# KiCad board FrontEnd_5G.kicad_pcb (continued)
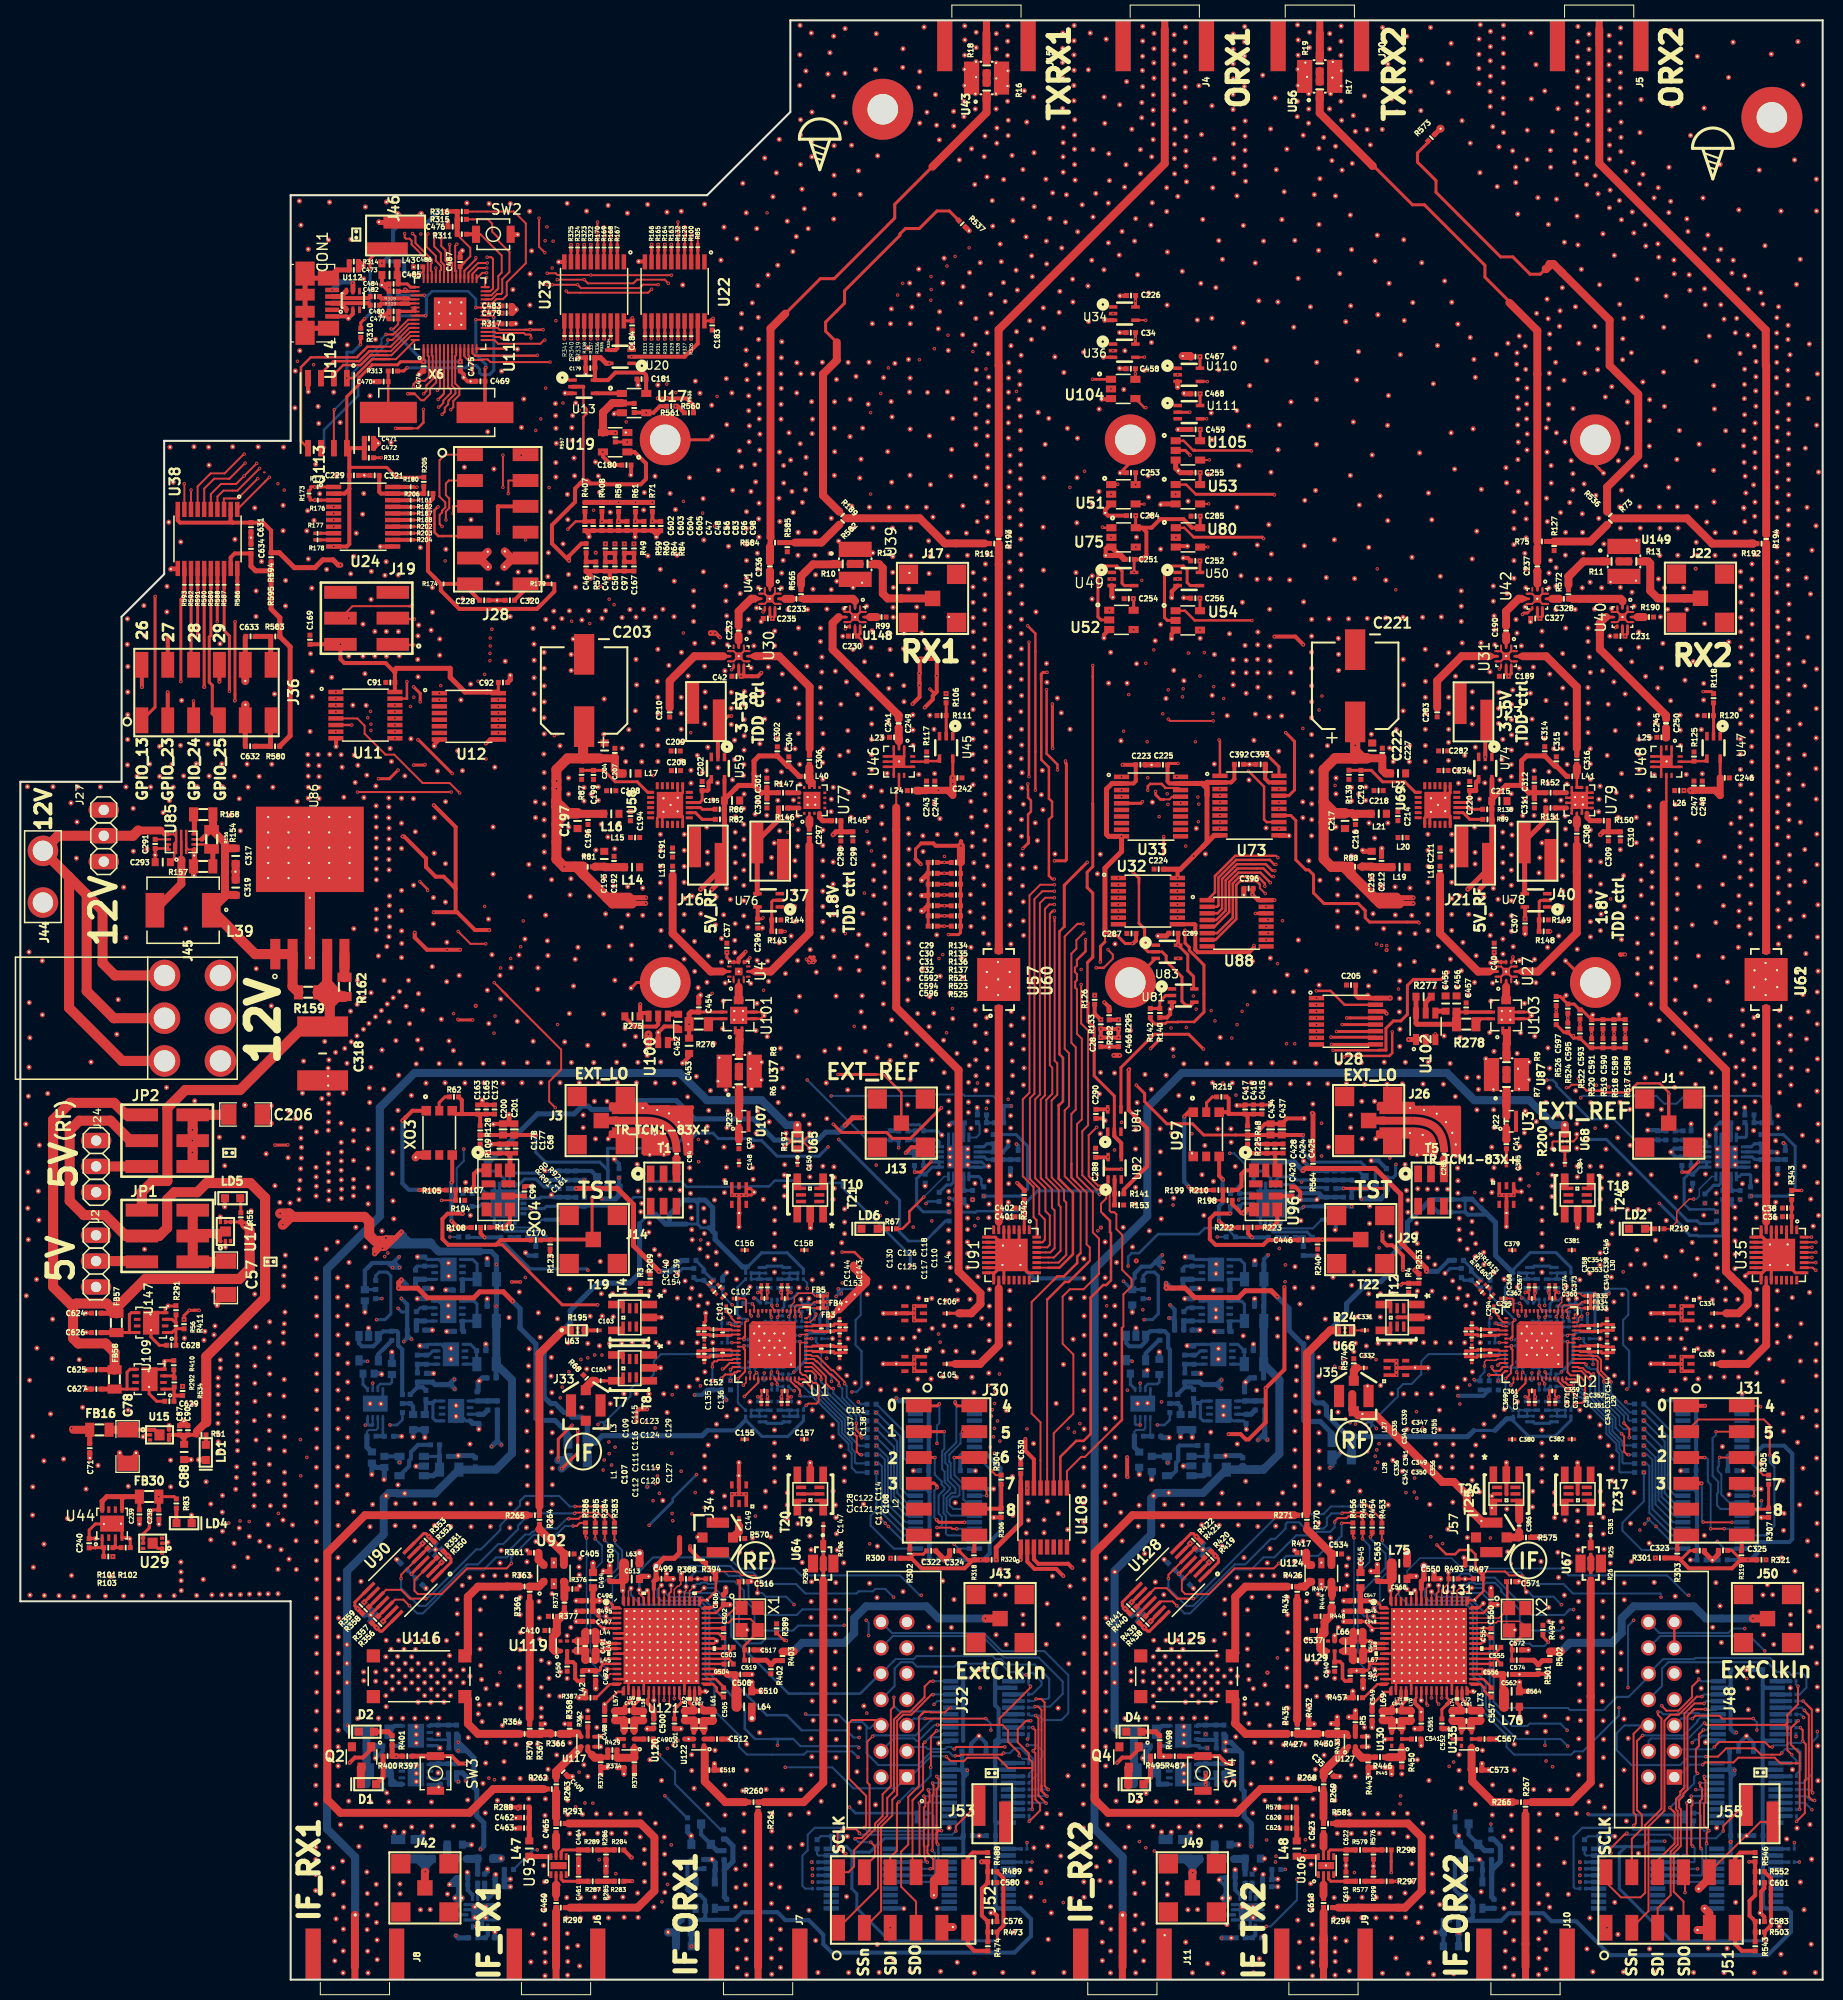
[diagram p0: board, top side]
## Placement (name value [footprint] x y rotation side) (continued)
Ref**#2367  Val**  [VIA_600_400]  106.36 1.87 0 top
Ref**#2368  Val**  [VIA_600_400]  31.03 5.98 0 top
Ref**#2369  Val**  [VIA_600_400]  30.74 10.98 0 top
Ref**#2370  Val**  [VIA_600_400]  30.8 8.37 0 top
Ref**#2371  Val**  [VIA_600_400]  30.91 1.85 0 top
Ref**#2372  Val**  [VIA_600_400]  30.9 3.78 0 top
Ref**#2373  Val**  [VIA_600_400]  75.65 13 0 top
Ref**#2374  Val**  [VIA_600_400]  76.86 13.29 0 top
Ref**#2375  Val**  [VIA_600_400]  81.22 8.16 0 top
Ref**#2376  Val**  [VIA_600_400]  99.33 8.13 0 top
Ref**#2377  Val**  [VIA_600_400]  91.67 5.17 0 top
Ref**#2378  Val**  [VIA_600_400]  89.8 8.3 0 top
Ref**#2379  Val**  [VIA_600_400]  100.94 36.95 90 top
Ref**#2380  Val**  [VIA_600_400]  100.85 32.96 90 top
Ref**#2381  Val**  [VIA_600_400]  102.02 34.92 90 top
Ref**#2382  Val**  [VIA_600_400]  102.02 26.69 90 top
Ref**#2383  Val**  [VIA_600_400]  100.9 16.31 90 top
Ref**#2384  Val**  [VIA_600_400]  102.25 16.25 90 top
Ref**#2385  Val**  [VIA_600_400]  103.06 31.05 90 top
Ref**#2386  Val**  [VIA_600_400]  103.18 38.68 90 top
Ref**#2387  Val**  [VIA_600_400]  101.46 39.66 90 top
Ref**#2388  Val**  [VIA_600_400]  98.06 39.56 90 top
Ref**#2389  Val**  [VIA_600_400]  99.08 46.86 90 top
Ref**#2390  Val**  [VIA_600_400]  102.98 20.03 90 top
Ref**#2391  Val**  [VIA_600_400]  100.83 10.64 90 top
Ref**#2392  Val**  [VIA_600_400]  102.27 12.15 90 top
Ref**#2393  Val**  [VIA_600_400]  100.44 14.96 90 top
Ref**#2394  Val**  [VIA_600_400]  98.89 43.9 90 top
Ref**#2395  Val**  [VIA_600_400]  100.64 43.93 90 top
Ref**#2396  Val**  [VIA_600_400]  96.31 40.3 90 top
Ref**#2397  Val**  [VIA_600_400]  89.31 34.65 90 top
Ref**#2398  Val**  [VIA_600_400]  89.52 32.58 90 top
Ref**#2399  Val**  [VIA_600_400]  89.97 30.19 90 top
Ref**#2400  Val**  [VIA_600_400]  86.77 38.14 90 top
Ref**#2401  Val**  [VIA_600_400]  84.21 37.55 90 top
Ref**#2402  Val**  [VIA_600_400]  99.1 45.15 90 top
Ref**#2403  Val**  [VIA_600_400]  97.57 45.65 90 top
Ref**#2404  Val**  [VIA_600_400]  102.96 44.24 90 top
Ref**#2405  Val**  [VIA_600_400]  100.64 45.19 90 top
Ref**#2406  Val**  [VIA_600_400]  99.64 12.96 90 top
Ref**#2407  Val**  [VIA_600_400]  101 13.12 90 top
Ref**#2408  Val**  [VIA_600_400]  97.52 49.45 90 top
Ref**#2409  Val**  [VIA_600_400]  96.92 55.95 90 top
Ref**#2410  Val**  [VIA_600_400]  101.83 56.64 90 top
Ref**#2411  Val**  [VIA_600_400]  100.96 47.01 90 top
Ref**#2412  Val**  [VIA_600_400]  120.46 48.99 90 top
Ref**#2413  Val**  [VIA_600_400]  118.12 47.84 90 top
Ref**#2414  Val**  [VIA_600_400]  124.09 47.86 90 top
Ref**#2415  Val**  [VIA_600_400]  129.03 47.99 90 top
Ref**#2416  Val**  [VIA_600_400]  131.69 48.03 90 top
Ref**#2417  Val**  [VIA_600_400]  102.03 45.83 90 top
Ref**#2418  Val**  [VIA_600_400]  110.56 88.97 0 top
Ref**#2419  Val**  [VIA_600_400]  106.08 87.06 0 top
Ref**#2420  Val**  [VIA_600_400]  34.97 115.37 0 top
Ref**#2421  Val**  [VIA_600_400]  34.06 118.39 0 top
Ref**#2422  Val**  [VIA_600_400]  34.97 114.29 0 top
Ref**#2423  Val**  [VIA_600_400]  19.44 57.52 0 top
Ref**#2424  Val**  [VIA_600_400]  19.44 55.63 0 top
Ref**#2425  Val**  [VIA_600_400]  19.44 53.71 0 top
Ref**#2426  Val**  [VIA_600_400]  19.44 59.15 0 top
Ref**#2427  Val**  [VIA_600_400]  19.43 54.68 0 top
Ref**#2428  Val**  [VIA_600_400]  19.46 52.85 0 top
Ref**#2429  Val**  [VIA_600_400]  19.47 51.88 0 top
Ref**#2430  Val**  [VIA_600_400]  19.44 58.34 0 top
Ref**#2431  Val**  [VIA_600_400]  19.66 60.1 0 top
Ref**#2432  Val**  [VIA_600_400]  19.66 60.91 0 top
Ref**#2433  Val**  [VIA_600_400]  21.34 61.43 0 top
Ref**#2434  Val**  [VIA_600_400]  21.35 60.29 0 top
Ref**#2435  Val**  [VIA_600_400]  21.32 58.46 0 top
Ref**#2436  Val**  [VIA_600_400]  21.35 52 0 top
Ref**#2437  Val**  [VIA_600_400]  21.34 52.97 0 top
Ref**#2438  Val**  [VIA_600_400]  21.31 54.8 0 top
Ref**#2439  Val**  [VIA_600_400]  21.32 59.27 0 top
Ref**#2440  Val**  [VIA_600_400]  21.32 53.83 0 top
Ref**#2441  Val**  [VIA_600_400]  21.32 55.75 0 top
Ref**#2442  Val**  [VIA_600_400]  21.32 57.64 0 top
Ref**#2443  Val**  [VIA_600_400]  21.33 56.66 0 top
Ref**#2444  Val**  [VIA_600_400]  24.47 53.97 0 top
Ref**#2445  Val**  [VIA_600_400]  24.48 52.15 0 top
Ref**#2446  Val**  [VIA_600_400]  23 54.95 0 top
Ref**#2447  Val**  [VIA_600_400]  23 50.72 0 top
Ref**#2448  Val**  [VIA_600_400]  19.04 63.38 0 top
Ref**#2449  Val**  [VIA_600_400]  18.05 62.85 0 top
Ref**#2450  Val**  [VIA_600_400]  18.14 63.72 0 top
Ref**#2451  Val**  [VIA_600_400]  25.9 69.2 0 top
Ref**#2452  Val**  [VIA_600_400]  25.99 70.07 0 top
Ref**#2453  Val**  [VIA_600_400]  24.49 57.52 0 top
Ref**#2454  Val**  [VIA_600_400]  24.51 59.53 0 top
Ref**#2455  Val**  [VIA_600_400]  23.05 58.62 0 top
Ref**#2456  Val**  [VIA_600_400]  24.46 61.13 0 top
Ref**#2457  Val**  [VIA_600_400]  23.05 62.12 0 top
Ref**#2458  Val**  [VIA_600_400]  24.51 64.66 0 top
Ref**#2459  Val**  [VIA_600_400]  25.91 57.36 0 top
Ref**#2460  Val**  [VIA_600_400]  25.91 55.3 0 top
Ref**#2461  Val**  [VIA_600_400]  25.97 51.96 0 top
Ref**#2462  Val**  [VIA_600_400]  24.58 46.58 0 top
Ref**#2463  Val**  [VIA_600_400]  15.82 38.25 0 top
Ref**#2464  Val**  [VIA_600_400]  15.81 39.22 0 top
Ref**#2465  Val**  [VIA_600_400]  15.78 41.05 0 top
Ref**#2466  Val**  [VIA_600_400]  15.79 40.08 0 top
Ref**#2467  Val**  [VIA_600_400]  23.5 37.9 90 top
Ref**#2468  Val**  [VIA_600_400]  22.53 37.89 90 top
Ref**#2469  Val**  [VIA_600_400]  24.36 37.92 90 top
Ref**#2470  Val**  [VIA_600_400]  25.33 37.93 90 top
Ref**#2471  Val**  [VIA_600_400]  21.63 37.85 90 top
Ref**#2472  Val**  [VIA_600_400]  20.66 37.84 90 top
Ref**#2473  Val**  [VIA_600_400]  18.83 37.81 90 top
Ref**#2474  Val**  [VIA_600_400]  19.8 37.82 90 top
Ref**#2475  Val**  [VIA_600_400]  2.36 37.76 90 top
Ref**#2476  Val**  [VIA_600_400]  21.24 49.36 90 top
Ref**#2477  Val**  [VIA_600_400]  17.33 37.76 90 top
Ref**#2478  Val**  [VIA_600_400]  22.97 48.72 90 top
Ref**#2479  Val**  [VIA_600_400]  23 49.76 0 top
Ref**#2480  Val**  [VIA_600_400]  23.01 47.63 90 top
Ref**#2481  Val**  [VIA_600_400]  23.54 43.09 0 top
Ref**#2482  Val**  [VIA_600_400]  25.63 42.26 0 top
Ref**#2483  Val**  [VIA_600_400]  24.46 42.57 0 top
Ref**#2484  Val**  [VIA_600_400]  21.52 44.39 0 top
Ref**#2485  Val**  [VIA_600_400]  21.01 42.89 0 top
Ref**#2486  Val**  [VIA_600_400]  25.95 64.47 0 top
Ref**#2487  Val**  [VIA_600_400]  25.86 63.6 0 top
Ref**#2488  Val**  [VIA_600_400]  26.01 65.61 0 top
Ref**#2489  Val**  [VIA_600_400]  25.85 62.56 0 top
Ref**#2490  Val**  [VIA_600_400]  27.49 78.57 0 top
Ref**#2491  Val**  [VIA_600_400]  27.4 77.7 0 top
Ref**#2492  Val**  [VIA_600_400]  27.55 79.71 0 top
Ref**#2493  Val**  [VIA_600_400]  27.39 76.66 0 top
Ref**#2494  Val**  [VIA_600_400]  25.51 76.39 0 top
Ref**#2495  Val**  [VIA_600_400]  27.62 80.76 0 top
Ref**#2496  Val**  [VIA_600_400]  27.57 83.75 0 top
Ref**#2497  Val**  [VIA_600_400]  27.63 81.8 0 top
Ref**#2498  Val**  [VIA_600_400]  27.58 82.71 0 top
Ref**#2499  Val**  [VIA_600_400]  26.4 85.37 0 top
Ref**#2500  Val**  [VIA_600_400]  31.54 79.55 0 top
Ref**#2501  Val**  [VIA_600_400]  31.55 78.61 0 top
Ref**#2502  Val**  [VIA_600_400]  31.57 77.69 0 top
Ref**#2503  Val**  [VIA_600_400]  31.56 81.37 0 top
Ref**#2504  Val**  [VIA_600_400]  31.54 82.29 0 top
Ref**#2505  Val**  [VIA_600_400]  30.29 81.22 0 top
Ref**#2506  Val**  [VIA_600_400]  31.55 80.47 0 top
Ref**#2507  Val**  [VIA_600_400]  30.33 77.53 0 top
Ref**#2508  Val**  [VIA_600_400]  30.31 78.45 0 top
Ref**#2509  Val**  [VIA_600_400]  30.3 79.39 0 top
Ref**#2510  Val**  [VIA_600_400]  30.32 76.63 0 top
Ref**#2511  Val**  [VIA_600_400]  29.07 79.84 0 top
Ref**#2512  Val**  [VIA_600_400]  29.08 78.9 0 top
Ref**#2513  Val**  [VIA_600_400]  29.1 77.98 0 top
Ref**#2514  Val**  [VIA_600_400]  30.31 85.22 0 top
Ref**#2515  Val**  [VIA_600_400]  30.3 87.04 0 top
Ref**#2516  Val**  [VIA_600_400]  30.32 86.12 0 top
Ref**#2517  Val**  [VIA_600_400]  30.3 84.3 0 top
Ref**#2518  Val**  [VIA_600_400]  30.27 87.88 0 top
Ref**#2519  Val**  [VIA_600_400]  30.25 88.8 0 top
Ref**#2520  Val**  [VIA_600_400]  29.92 92.21 0 top
Ref**#2521  Val**  [VIA_600_400]  30.99 91.14 0 top
Ref**#2522  Val**  [VIA_600_400]  30.33 90.4 0 top
Ref**#2523  Val**  [VIA_600_400]  37.47 105.07 0 top
Ref**#2524  Val**  [VIA_600_400]  37.48 103.08 0 top
Ref**#2525  Val**  [VIA_600_400]  37.47 107.06 0 top
Ref**#2526  Val**  [VIA_600_400]  37.47 113.67 0 top
Ref**#2527  Val**  [VIA_600_400]  32.92 117.67 0 top
Ref**#2528  Val**  [VIA_600_400]  31.63 119.17 0 top
Ref**#2529  Val**  [VIA_600_400]  0.7 117.26 0 top
Ref**#2530  Val**  [VIA_600_400]  2.82 114.95 0 top
Ref**#2531  Val**  [VIA_600_400]  3.21 117.25 0 top
Ref**#2532  Val**  [VIA_600_400]  4.98 115.66 0 top
Ref**#2533  Val**  [VIA_600_400]  5.64 117.24 0 top
Ref**#2534  Val**  [VIA_600_400]  5.57 113.79 0 top
Ref**#2535  Val**  [VIA_600_400]  14.04 114.71 0 top
Ref**#2536  Val**  [VIA_600_400]  12.81 117.22 0 top
Ref**#2537  Val**  [VIA_600_400]  14.65 115.89 0 top
Ref**#2538  Val**  [VIA_600_400]  10.38 117.23 0 top
Ref**#2539  Val**  [VIA_600_400]  11.09 115.12 0 top
Ref**#2540  Val**  [VIA_600_400]  7.87 117.24 0 top
Ref**#2541  Val**  [VIA_600_400]  15.03 117.21 0 top
Ref**#2542  Val**  [VIA_600_400]  21.63 112.92 0 top
Ref**#2543  Val**  [VIA_600_400]  19.9 117.24 0 top
Ref**#2544  Val**  [VIA_600_400]  20.6 114.45 0 top
Ref**#2545  Val**  [VIA_600_400]  17.39 117.25 0 top
Ref**#2546  Val**  [VIA_600_400]  27.21 115.8 0 top
Ref**#2547  Val**  [VIA_600_400]  24.82 117.2 0 top
Ref**#2548  Val**  [VIA_600_400]  31.8 116.22 0 top
Ref**#2549  Val**  [VIA_600_400]  22.39 117.21 0 top
Ref**#2550  Val**  [VIA_600_400]  21.52 116.07 0 top
Ref**#2551  Val**  [VIA_600_400]  29.27 120.41 0 top
Ref**#2552  Val**  [VIA_600_400]  30.41 120.43 0 top
Ref**#2553  Val**  [VIA_600_400]  28.26 120.42 0 top
Ref**#2554  Val**  [VIA_600_400]  31.54 120.4 0 top
Ref**#2555  Val**  [VIA_600_400]  28.3 118.29 0 top
Ref**#2556  Val**  [VIA_600_400]  28.3 119.37 0 top
Ref**#2557  Val**  [VIA_600_400]  28.3 117.21 0 top
Ref**#2558  Val**  [VIA_600_400]  28.3 116.13 0 top
Ref**#2559  Val**  [VIA_600_400]  30.08 71.8 0 top
Ref**#2560  Val**  [VIA_600_400]  26.41 41.33 0 top
Ref**#2561  Val**  [VIA_600_400]  27.1 43.14 0 top
Ref**#2562  Val**  [VIA_600_400]  25.82 45.17 0 top
Ref**#2563  Val**  [VIA_600_400]  26.04 47.59 0 top
Ref**#2564  Val**  [VIA_600_400]  25.96 48.72 0 top
Ref**#2565  Val**  [VIA_600_400]  24.48 50.64 0 top
Ref**#2566  Val**  [VIA_600_400]  40.61 106.35 0 top
Ref**#2567  Val**  [VIA_600_400]  40.68 110.72 0 top
Ref**#2568  Val**  [VIA_600_400]  34.95 117.32 0 top
Ref**#2569  Val**  [VIA_600_400]  29.36 116.09 0 top
Ref**#2570  Val**  [VIA_600_400]  29.36 117.17 0 top
Ref**#2571  Val**  [VIA_600_400]  29.36 119.33 0 top
Ref**#2572  Val**  [VIA_600_400]  29.36 118.25 0 top
Ref**#2573  Val**  [VIA_600_400]  8.37 37.71 90 top
Ref**#2574  Val**  [VIA_600_400]  10.15 37.72 90 top
Ref**#2575  Val**  [VIA_600_400]  6.69 37.66 90 top
Ref**#2576  Val**  [VIA_600_400]  5.28 37.66 90 top
Ref**#2577  Val**  [VIA_600_400]  11.98 37.75 90 top
Ref**#2578  Val**  [VIA_600_400]  15.12 37.74 90 top
Ref**#2579  Val**  [VIA_600_400]  3.8 37.74 90 top
Ref**#2580  Val**  [VIA_600_400]  13.68 37.72 90 top
Ref**#2581  Val**  [VIA_600_400]  0.95 37.8 90 top
Ref**#2582  Val**  [VIA_600_400]  34.31 87.65 0 top
Ref**#2583  Val**  [VIA_600_400]  32.75 82.44 0 top
Ref**#2584  Val**  [VIA_600_400]  32.75 78.66 0 top
Ref**#2585  Val**  [VIA_600_400]  32.75 80.52 0 top
Ref**#2586  Val**  [VIA_600_400]  32.75 77.03 0 top
Ref**#2587  Val**  [VIA_600_400]  19.85 45.95 0 top
Ref**#2588  Val**  [VIA_600_400]  28.69 128.6 90 top
Ref**#2589  Val**  [VIA_600_400]  28.87 143.42 90 top
Ref**#2590  Val**  [VIA_600_400]  28.69 126.1 90 top
Ref**#2591  Val**  [VIA_600_400]  30.6 128 90 top
Ref**#2592  Val**  [VIA_600_400]  30.11 138.61 90 top
Ref**#2593  Val**  [VIA_600_400]  28.65 136.77 90 top
Ref**#2594  Val**  [VIA_600_400]  28.48 122.68 90 top
Ref**#2595  Val**  [VIA_600_400]  0.8 86.84 180 top
Ref**#2596  Val**  [VIA_600_400]  2.69 87.1 180 top
Ref**#2597  Val**  [VIA_600_400]  0.85 89.69 180 top
Ref**#2598  Val**  [VIA_600_400]  0.85 101 180 top
Ref**#2599  Val**  [VIA_600_400]  5.51 110.23 180 top
Ref**#2600  Val**  [VIA_600_400]  14.37 87.69 180 top
Ref**#2601  Val**  [VIA_600_400]  0.94 92.58 180 top
Ref**#2602  Val**  [VIA_600_400]  0.88 96.03 180 top
Ref**#2603  Val**  [VIA_600_400]  9.62 96.33 180 top
Ref**#2604  Val**  [VIA_600_400]  9.48 92.92 180 top
Ref**#2605  Val**  [VIA_600_400]  8.91 39.64 180 top
Ref**#2606  Val**  [VIA_600_400]  1.2 45.66 180 top
Ref**#2607  Val**  [VIA_600_400]  17.98 39.34 180 top
Ref**#2608  Val**  [VIA_600_400]  4.63 45.33 180 top
Ref**#2609  Val**  [VIA_600_400]  5.03 39.72 180 top
Ref**#2610  Val**  [VIA_600_400]  2.31 50.99 180 top
Ref**#2611  Val**  [VIA_600_400]  10.61 48.49 180 top
Ref**#2612  Val**  [VIA_600_400]  2.33 42.81 180 top
Ref**#2613  Val**  [VIA_600_400]  6.46 48.22 180 top
Ref**#2614  Val**  [VIA_600_400]  1.28 40.53 180 top
Ref**#2615  Val**  [VIA_600_400]  14.77 51.06 180 top
Ref**#2616  Val**  [VIA_600_400]  0.91 58.91 180 top
Ref**#2617  Val**  [VIA_600_400]  5.79 60.94 180 top
Ref**#2618  Val**  [VIA_600_400]  6.12 56.25 180 top
Ref**#2619  Val**  [VIA_600_400]  2.97 55.6 180 top
Ref**#2620  Val**  [VIA_600_400]  3.13 61.04 180 top
Ref**#2621  Val**  [VIA_600_400]  3.17 64.92 180 top
Ref**#2622  Val**  [VIA_600_400]  10.59 55.98 180 top
Ref**#2623  Val**  [VIA_600_400]  0.59 67.22 180 top
Ref**#2624  Val**  [VIA_600_400]  14.78 48.44 0 top
Ref**#2625  Val**  [VIA_600_400]  0.73 75.83 180 top
Ref**#2626  Val**  [VIA_600_400]  1.82 74.65 180 top
Ref**#2627  Val**  [VIA_600_400]  0.78 72.74 180 top
Ref**#2628  Val**  [VIA_600_400]  1.23 48.44 180 top
Ref**#2629  Val**  [VIA_600_400]  7.64 50.54 180 top
Ref**#2630  Val**  [VIA_600_400]  1.2 53.41 180 top
Ref**#2631  Val**  [VIA_600_400]  4.25 51.17 180 top
Ref**#2632  Val**  [VIA_600_400]  1.62 62.08 180 top
Ref**#2633  Val**  [VIA_600_400]  1.77 77.5 180 top
Ref**#2634  Val**  [VIA_600_400]  0.54 84.09 180 top
Ref**#2635  Val**  [VIA_600_400]  1.59 68.83 180 top
Ref**#2636  Val**  [VIA_600_400]  0.76 79.37 180 top
Ref**#2637  Val**  [VIA_600_400]  1.88 82.02 180 top
Ref**#2638  Val**  [VIA_600_400]  6.95 90.19 180 top
Ref**#2639  Val**  [VIA_600_400]  2.16 94.84 180 top
Ref**#2640  Val**  [VIA_600_400]  10.39 102.42 180 top
Ref**#2641  Val**  [VIA_600_400]  11.11 110.91 180 top
Ref**#2642  Val**  [VIA_600_400]  23.19 99.37 180 top
Ref**#2643  Val**  [VIA_600_400]  10.16 107.37 180 top
Ref**#2644  Val**  [VIA_600_400]  16.25 103.29 180 top
Ref**#2645  Val**  [VIA_600_400]  2.16 100.15 180 top
Ref**#2646  Val**  [VIA_600_400]  17.14 86.37 180 top
Ref**#2647  Val**  [VIA_600_400]  130.64 0.86 0 top
Ref**#2648  Val**  [VIA_600_400]  130.33 3.81 0 top
Ref**#2649  Val**  [VIA_600_400]  125.7 1.18 0 top
Ref**#2650  Val**  [VIA_600_400]  125.74 3.69 0 top
Ref**#2651  Val**  [VIA_600_400]  125.58 5.85 0 top
Ref**#2652  Val**  [VIA_600_400]  123.55 7.15 0 top
Ref**#2653  Val**  [VIA_600_400]  114.56 3.68 0 top
Ref**#2654  Val**  [VIA_600_400]  117.95 92.61 0 top
Ref**#2655  Val**  [VIA_600_400]  113.3 91.46 0 top
Ref**#2656  Val**  [VIA_600_400]  109.11 93.29 0 top
Ref**#2657  Val**  [VIA_600_400]  119.43 79.93 0 top
Ref**#2658  Val**  [VIA_600_400]  127.06 86.07 0 top
Ref**#2659  Val**  [VIA_600_400]  163.29 89.09 0 top
Ref**#2660  Val**  [VIA_600_400]  159.82 92.31 0 top
Ref**#2661  Val**  [VIA_600_400]  161.89 91.24 0 top
Ref**#2662  Val**  [VIA_600_400]  28.53 130.33 90 top
Ref**#2663  Val**  [VIA_600_400]  28.31 139.64 90 top
Ref**#2664  Val**  [VIA_600_400]  127.44 76.67 0 top
Ref**#2665  Val**  [VIA_600_400]  52.2 77.13 0 top
Ref**#2666  Val**  [VIA_600_400]  117.28 78.46 0 top
Ref**#2667  Val**  [VIA_600_400]  116.34 75.12 0 top
Ref**#2668  Val**  [VIA_600_400]  118.27 55.48 0 top
Ref**#2669  Val**  [VIA_600_400]  109.83 56.62 0 top
Ref**#2670  Val**  [VIA_600_400]  117.77 60.98 0 top
Ref**#2671  Val**  [VIA_600_400]  117.56 70.33 0 top
Ref**#2672  Val**  [VIA_600_400]  117.53 65.85 0 top
Ref**#2673  Val**  [VIA_600_400]  117.52 65.08 0 top
Ref**#2674  Val**  [VIA_600_400]  117.78 62.02 0 top
Ref**#2675  Val**  [VIA_600_400]  118.27 56.35 0 top
Ref**#2676  Val**  [VIA_600_400]  110.8 56.66 0 top
Ref**#2677  Val**  [VIA_600_400]  117.53 69.39 0 top
Ref**#2678  Val**  [VIA_600_400]  42.83 55.37 0 top
Ref**#2679  Val**  [VIA_600_400]  42.83 56.43 0 top
Ref**#2680  Val**  [VIA_600_400]  34.38 56.61 0 top
Ref**#2681  Val**  [VIA_600_400]  35.44 56.6 0 top
Ref**#2682  Val**  [VIA_600_400]  42.33 60.97 0 top
Ref**#2683  Val**  [VIA_600_400]  42.33 62.04 0 top
Ref**#2684  Val**  [VIA_600_400]  42.09 70.44 0 top
Ref**#2685  Val**  [VIA_600_400]  42.11 69.14 0 top
Ref**#2686  Val**  [VIA_600_400]  42.07 65.14 0 top
Ref**#2687  Val**  [VIA_600_400]  42.07 66.26 0 top
Ref**#2688  Val**  [VIA_600_400]  116.16 79.12 0 top
Ref**#2689  Val**  [VIA_600_400]  50.38 4.48 0 top
Ref**#2690  Val**  [VIA_600_400]  50.18 1.74 0 top
Ref**#2691  Val**  [VIA_600_400]  54.8 3.34 0 top
Ref**#2692  Val**  [VIA_600_400]  54.98 1.34 0 top
Ref**#2693  Val**  [VIA_600_400]  157.32 30.48 0 top
Ref**#2694  Val**  [VIA_600_400]  157.36 32.12 0 top
Ref**#2695  Val**  [VIA_600_400]  157.64 25.62 0 top
Ref**#2696  Val**  [VIA_600_400]  164.87 30.3 0 top
Ref**#2697  Val**  [VIA_600_400]  156.73 7.6 0 top
Ref**#2698  Val**  [VIA_600_400]  97.65 4.68 0 top
Ref**#2699  Val**  [VIA_600_400]  84.07 17.19 0 top
Ref**#2700  Val**  [VIA_600_400]  82.24 20.44 0 top
Ref**#2701  Val**  [VIA_600_400]  82.52 17.42 0 top
Ref**#2702  Val**  [VIA_600_400]  82.48 24.75 0 top
Ref**#2703  Val**  [VIA_600_400]  82.92 26.9 0 top
Ref**#2704  Val**  [VIA_600_400]  82.45 30.48 0 top
Ref**#2705  Val**  [VIA_600_400]  91.7 32.46 0 top
Ref**#2706  Val**  [VIA_600_400]  91.52 34.61 0 top
Ref**#2707  Val**  [VIA_600_400]  91.78 37.36 0 top
Ref**#2708  Val**  [VIA_600_400]  83.48 38.96 0 top
Ref**#2709  Val**  [VIA_600_400]  90.67 39.19 0 top
Ref**#2710  Val**  [VIA_600_400]  84.25 42.6 0 top
Ref**#2711  Val**  [VIA_600_400]  82.89 46.73 0 top
Ref**#2712  Val**  [VIA_600_400]  91.9 46.88 0 top
Ref**#2713  Val**  [VIA_600_400]  90.17 43.73 0 top
Ref**#2714  Val**  [VIA_600_400]  99.6 52.69 0 top
Ref**#2715  Val**  [VIA_600_400]  117.02 53.81 0 top
Ref**#2716  Val**  [VIA_600_400]  169.83 28.62 0 top
Ref**#2717  Val**  [VIA_600_400]  169.86 26.53 0 top
Ref**#2718  Val**  [VIA_600_400]  21.05 118.27 0 top
Ref**#2719  Val**  [VIA_600_400]  23.48 118.26 0 top
Ref**#2720  Val**  [VIA_600_400]  16.05 118.31 0 top
Ref**#2721  Val**  [VIA_600_400]  18.56 118.3 0 top
Ref**#2722  Val**  [VIA_600_400]  13.69 118.27 0 top
Ref**#2723  Val**  [VIA_600_400]  11.47 118.28 0 top
Ref**#2724  Val**  [VIA_600_400]  12.71 119.48 0 top
Ref**#2725  Val**  [VIA_600_400]  14.93 119.47 0 top
Ref**#2726  Val**  [VIA_600_400]  19.8 119.5 0 top
Ref**#2727  Val**  [VIA_600_400]  17.29 119.51 0 top
Ref**#2728  Val**  [VIA_600_400]  24.72 119.46 0 top
Ref**#2729  Val**  [VIA_600_400]  22.29 119.47 0 top
Ref**#2730  Val**  [VIA_600_400]  10.55 126.56 90 top
Ref**#2731  Val**  [VIA_600_400]  10.56 129.06 90 top
Ref**#2732  Val**  [VIA_600_400]  10.55 124.33 90 top
Ref**#2733  Val**  [VIA_600_400]  10.55 121.9 90 top
Ref**#2734  Val**  [VIA_600_400]  10.53 119.39 90 top
Ref**#2735  Val**  [VIA_600_400]  10.52 133.75 90 top
Ref**#2736  Val**  [VIA_600_400]  10.52 131.25 90 top
Ref**#2737  Val**  [VIA_600_400]  25.87 150.63 0 top
Ref**#2738  Val**  [VIA_600_400]  20.87 150.67 0 top
Ref**#2739  Val**  [VIA_600_400]  23.38 150.66 0 top
Ref**#2740  Val**  [VIA_600_400]  18.51 150.63 0 top
Ref**#2741  Val**  [VIA_600_400]  14.71 150.63 0 top
Ref**#2742  Val**  [VIA_600_400]  17.07 150.67 0 top
Ref**#2743  Val**  [VIA_600_400]  23.16 133.99 90 top
Ref**#2744  Val**  [VIA_600_400]  23.17 136.5 90 top
Ref**#2745  Val**  [VIA_600_400]  26.08 137.53 90 top
Ref**#2746  Val**  [VIA_600_400]  26.06 135.02 90 top
Ref**#2747  Val**  [VIA_600_400]  25.83 142.41 90 top
Ref**#2748  Val**  [VIA_600_400]  25.83 144.91 90 top
Ref**#2749  Val**  [VIA_600_400]  14.41 136.94 90 top
Ref**#2750  Val**  [VIA_600_400]  14.41 134.44 90 top
Ref**#2751  Val**  [VIA_600_400]  12.15 135.06 90 top
Ref**#2752  Val**  [VIA_600_400]  19.63 131.31 90 top
Ref**#2753  Val**  [VIA_600_400]  15.85 125.74 90 top
Ref**#2754  Val**  [VIA_600_400]  13.69 121.22 90 top
Ref**#2755  Val**  [VIA_600_400]  15.74 121.31 90 top
Ref**#2756  Val**  [VIA_600_400]  18.42 121.45 90 top
Ref**#2757  Val**  [VIA_600_400]  24.98 126.37 90 top
Ref**#2758  Val**  [VIA_600_400]  15.77 141.31 90 top
Ref**#2759  Val**  [VIA_600_400]  15.02 147.19 90 top
Ref**#2760  Val**  [VIA_600_400]  18.55 148.86 90 top
Ref**#2761  Val**  [VIA_600_400]  48.42 166.11 90 top
Ref**#2762  Val**  [VIA_600_400]  14.59 143.25 90 top
Ref**#2763  Val**  [VIA_600_400]  21.09 141.57 90 top
Ref**#2764  Val**  [VIA_600_400]  23.71 139.39 90 top
Ref**#2765  Val**  [VIA_600_400]  23.04 144.66 90 top
Ref**#2766  Val**  [VIA_600_400]  12.23 132.09 90 top
Ref**#2767  Val**  [VIA_600_400]  142.24 43.45 0 top
Ref**#2768  Val**  [VIA_600_400]  106.63 84.43 0 top
Ref**#2769  Val**  [VIA_600_400]  106.16 83.15 0 top
Ref**#2770  Val**  [VIA_600_400]  113.03 95.38 0 top
Ref**#2771  Val**  [VIA_600_400]  34.99 112.2 0 top
Ref**#2772  Val**  [VIA_600_400]  34.99 113.28 0 top
Ref**#2773  Val**  [VIA_600_400]  35 109.18 0 top
Ref**#2774  Val**  [VIA_600_400]  35 108.1 0 top
Ref**#2775  Val**  [VIA_600_400]  34.98 110.19 0 top
Ref**#2776  Val**  [VIA_600_400]  34.98 111.27 0 top
Ref**#2777  Val**  [VIA_600_400]  36.23 111.17 0 top
Ref**#2778  Val**  [VIA_600_400]  36.23 110.09 0 top
Ref**#2779  Val**  [VIA_600_400]  36.25 109.08 0 top
Ref**#2780  Val**  [VIA_600_400]  36.24 113.18 0 top
Ref**#2781  Val**  [VIA_600_400]  36.24 112.1 0 top
Ref**#2782  Val**  [VIA_600_400]  36.22 114.19 0 top
Ref**#2783  Val**  [VIA_600_400]  36.22 115.27 0 top
Ref**#2784  Val**  [VIA_600_400]  36.29 106.5 0 top
Ref**#2785  Val**  [VIA_600_400]  36.3 103.48 0 top
Ref**#2786  Val**  [VIA_600_400]  36.28 104.49 0 top
Ref**#2787  Val**  [VIA_600_400]  36.28 105.57 0 top
Ref**#2788  Val**  [VIA_600_400]  34.99 104.27 0 top
Ref**#2789  Val**  [VIA_600_400]  34.99 103.19 0 top
Ref**#2790  Val**  [VIA_600_400]  36.03 101.54 0 top
Ref**#2791  Val**  [VIA_600_400]  35 105.2 0 top
Ref**#2792  Val**  [VIA_600_400]  36.24 102.51 0 top
Ref**#2793  Val**  [VIA_600_400]  117.62 17.47 0 top
Ref**#2794  Val**  [VIA_600_400]  88.94 78.01 0 top
Ref**#2795  Val**  [VIA_600_400]  85.5 90.34 0 top
Ref**#2796  Val**  [VIA_600_400]  79.85 71.43 180 bottom
Ref**#2797  Val**  [VIA_600_400]  80.74 72.43 180 bottom
Ref**#2798  Val**  [VIA_600_400]  79.83 70.23 180 bottom
Ref**#2799  Val**  [VIA_600_400]  68.44 54.59 0 bottom
Ref**#2800  Val**  [VIA_600_400]  67.62 52.55 0 bottom
Ref**#2801  Val**  [VIA_600_400]  68.42 53.39 0 bottom
Ref**#2802  Val**  [VIA_600_400]  69.45 55.38 0 bottom
Ref**#2803  Val**  [VIA_600_400]  70.42 56.04 0 bottom
Ref**#2804  Val**  [VIA_600_400]  110.64 25.7 0 bottom
Ref**#2805  Val**  [VIA_600_400]  111.86 25.69 0 bottom
Ref**#2806  Val**  [VIA_600_400]  113.02 25.69 0 bottom
Ref**#2807  Val**  [VIA_600_400]  114.21 25.69 0 bottom
Ref**#2808  Val**  [VIA_600_400]  115.41 25.72 0 bottom
Ref**#2809  Val**  [VIA_600_400]  116.58 25.72 0 bottom
Ref**#2810  Val**  [VIA_600_400]  139.1 4.65 90 bottom
Ref**#2811  Val**  [VIA_600_400]  143.42 11.81 90 bottom
Ref**#2812  Val**  [VIA_600_400]  115.06 14.48 0 bottom
Ref**#2813  Val**  [VIA_600_400]  113.14 14.5 0 bottom
Ref**#2814  Val**  [VIA_600_400]  112.18 14.52 0 bottom
Ref**#2815  Val**  [VIA_600_400]  122.3 11.89 270 bottom
Ref**#2816  Val**  [VIA_600_400]  119.79 13.26 0 bottom
Ref**#2817  Val**  [VIA_600_400]  123.61 9.14 270 bottom
Ref**#2818  Val**  [VIA_600_400]  123.61 9.88 270 bottom
Ref**#2819  Val**  [VIA_600_400]  118.86 8.01 270 bottom
Ref**#2820  Val**  [VIA_600_400]  118.16 8.01 270 bottom
Ref**#2821  Val**  [VIA_600_400]  122.17 10.34 270 bottom
Ref**#2822  Val**  [VIA_600_400]  121.36 10.87 270 bottom
Ref**#2823  Val**  [VIA_600_400]  118.61 5.42 270 bottom
Ref**#2824  Val**  [VIA_600_400]  122.19 4.24 270 bottom
Ref**#2825  Val**  [VIA_600_400]  121.18 7.14 270 bottom
Ref**#2826  Val**  [VIA_600_400]  121.18 6.1 270 bottom
Ref**#2827  Val**  [VIA_600_400]  120.13 6.1 270 bottom
Ref**#2828  Val**  [VIA_600_400]  120.13 7.14 270 bottom
Ref**#2829  Val**  [VIA_600_400]  119.42 10.81 270 bottom
Ref**#2830  Val**  [VIA_600_400]  119.04 4.1 270 bottom
Ref**#2831  Val**  [VIA_600_400]  141.39 14.13 90 bottom
Ref**#2832  Val**  [VIA_600_400]  114.37 21.07 0 bottom
Ref**#2833  Val**  [VIA_600_400]  114.37 20.27 0 bottom
Ref**#2834  Val**  [VIA_600_400]  114.37 19.47 0 bottom
Ref**#2835  Val**  [VIA_600_400]  114.37 23.27 0 bottom
Ref**#2836  Val**  [VIA_600_400]  114.37 24.07 0 bottom
Ref**#2837  Val**  [VIA_600_400]  114.37 24.87 0 bottom
Ref**#2838  Val**  [VIA_600_400]  162.3 6.98 180 bottom